# Altium PCB MCH_MAIN.PCBDOC (part 14 of 14) (continued)
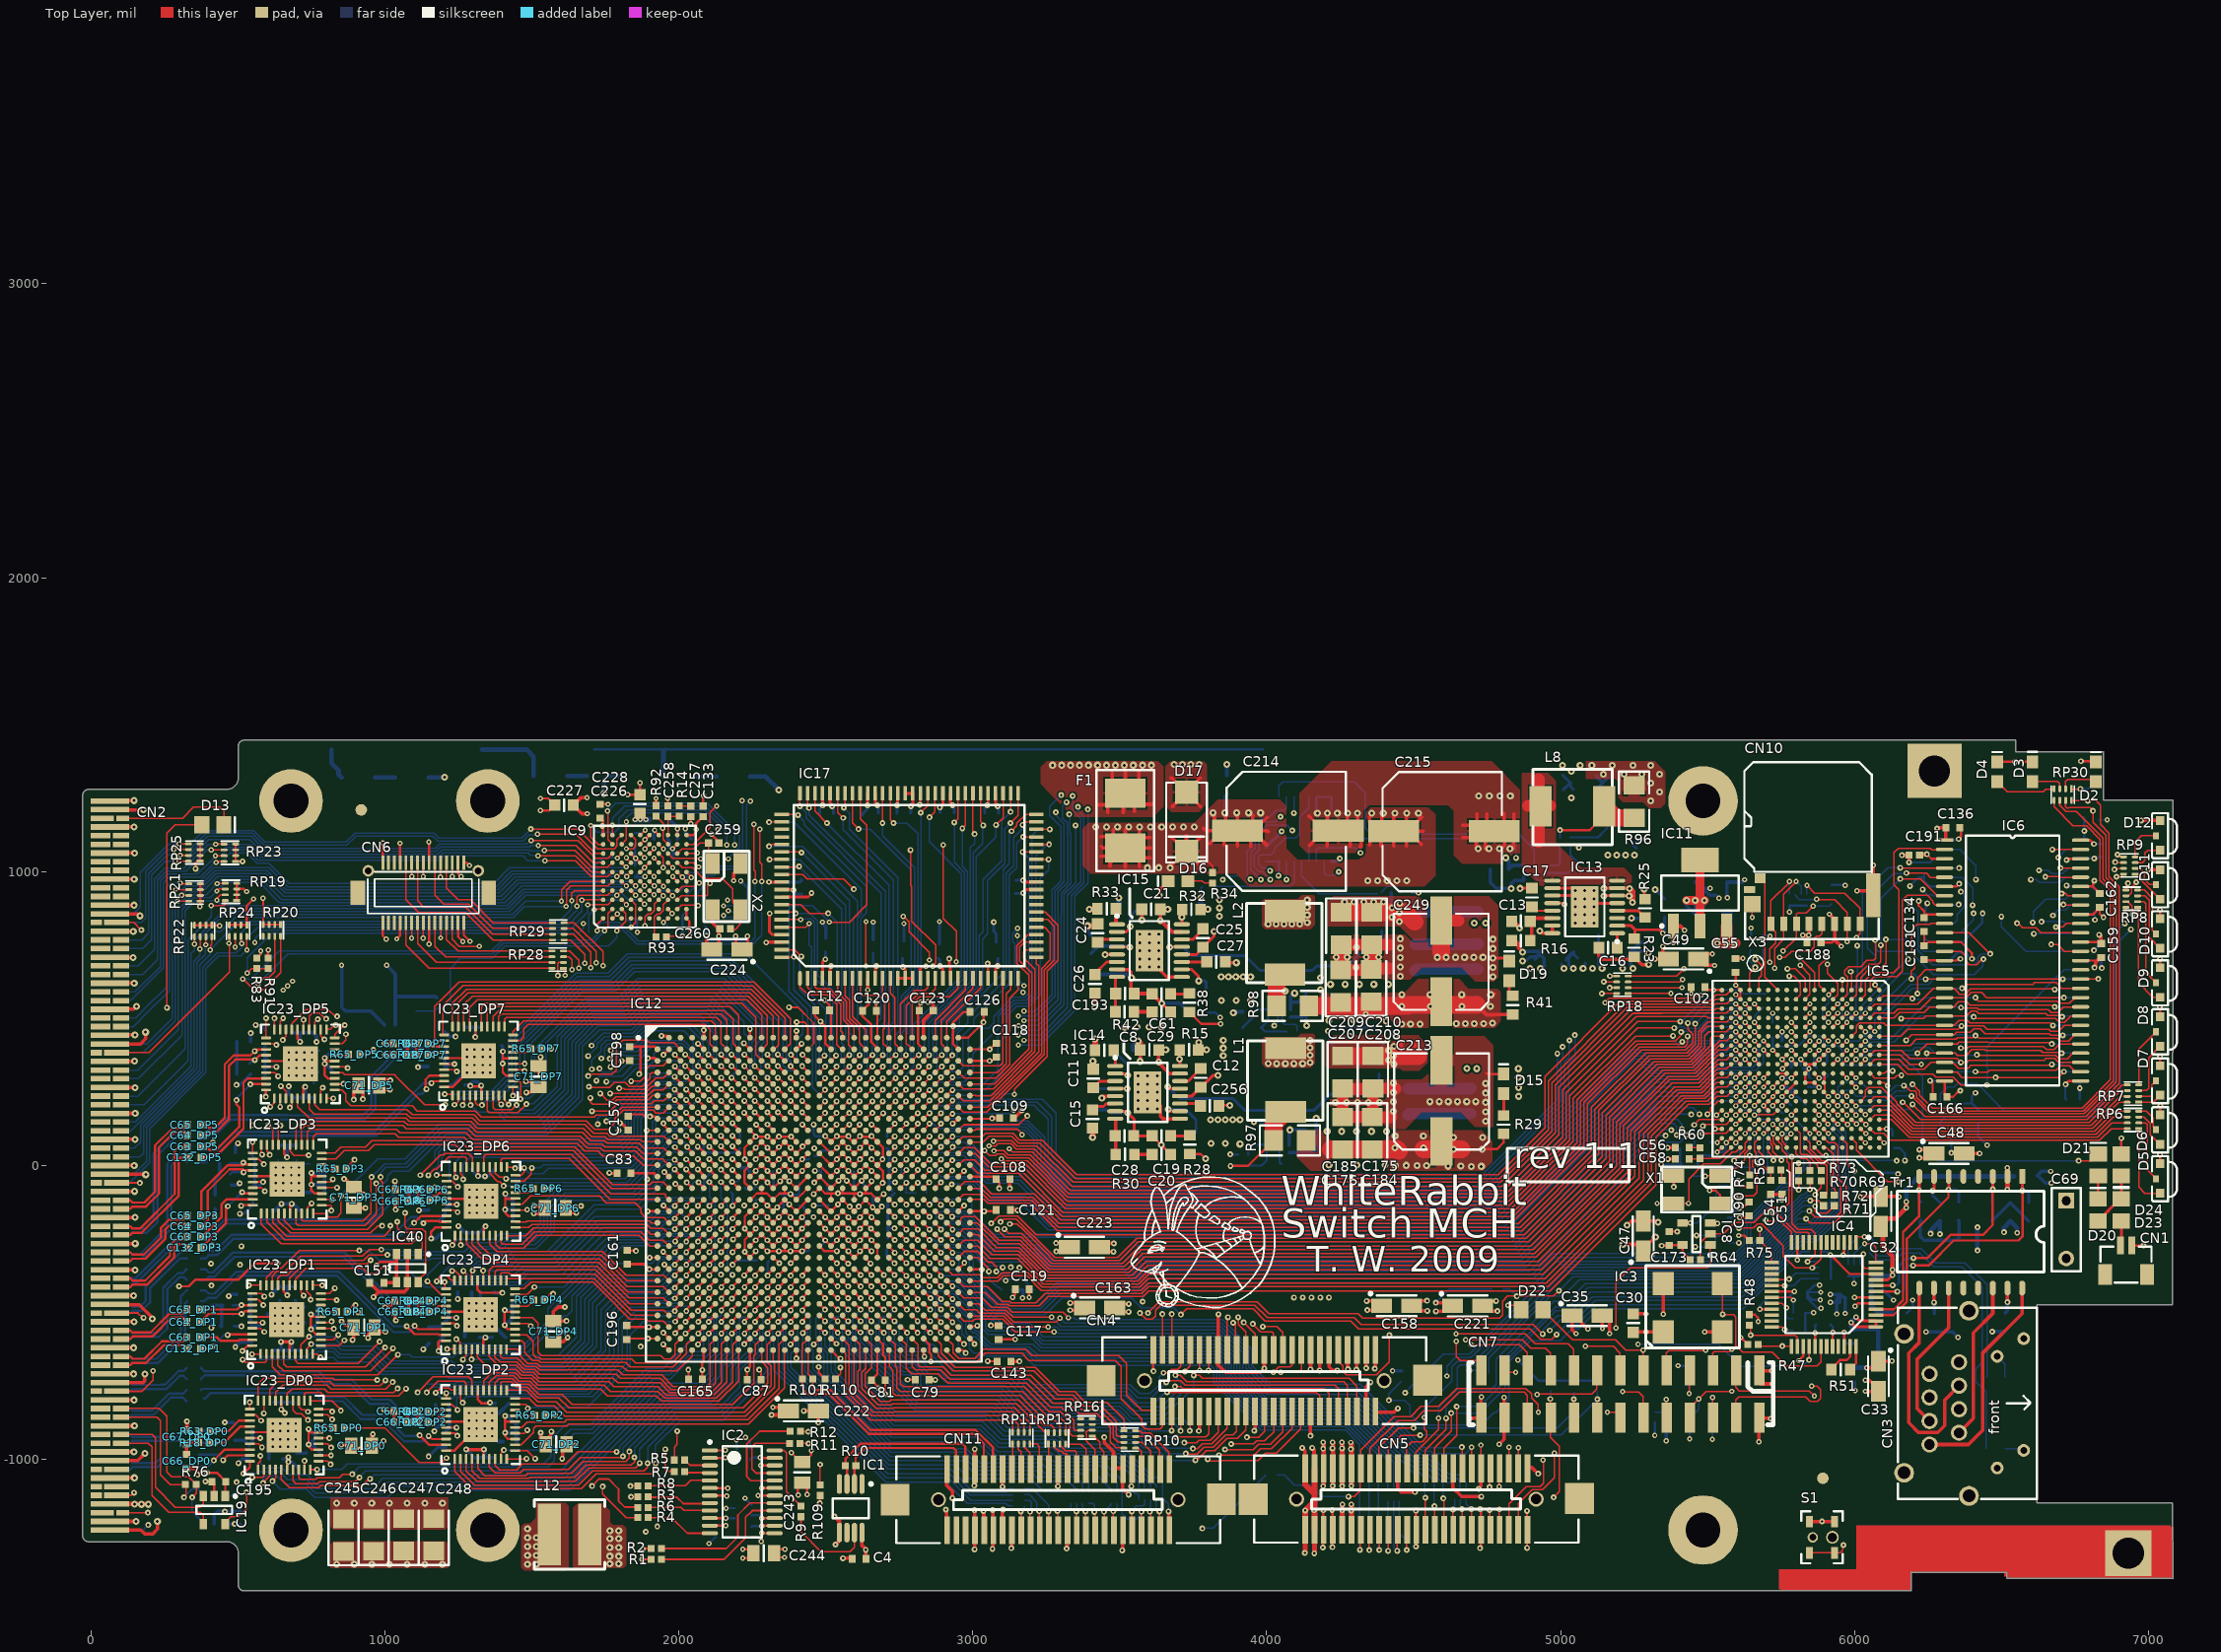
[diagram p0: Top Layer view]
## Nets (pads, with @x,y where several pads share a name; then routed paths per layer and width w, separated by ;. In a path a pad name is that pad's centre, name@x,y a point inside that pad or via, vN(x,y) a via of type N, cw(c..) or ccw(c..) an arc to the next point about the centre after c; other vN are vias at no path point) (continued)

## Polygon pours and split planes (outlines as drawn)
+2V5 on Top Layer "POLY_nothermals" (solid, remove dead copper, pour order 1003): 1651,-1156.1 1658,-1149.1 1671,-1149.1 1741,-1149.1 1761,-1169.1 1766,-1174.1 1766,-1209.1 1766,-1214.1 1771,-1219.1 1776,-1224.1 1811,-1224.1 1821,-1234.1 1821,-1244.1 1821,-1359.1 1811,-1369.1 1661,-1369.1 1646,-1369.1 1641,-1364.1 1641,-1169.1 1641,-1164.1 1656,-1149.1
+2V5_PHY on Top Layer "POLY_nothermals" (solid, remove dead copper, pour order 1002): 816,-1229.1 826,-1239.1 1206,-1239.1 1216,-1229.1 1216,-1129.1 816,-1129.1
GND on Top Layer "POLY_nothermals" (solid, remove dead copper, pour order 1001): 816,-1289.1 826,-1279.1 836,-1279.1 1206,-1279.1 1216,-1289.1 1216,-1369.1 816,-1369.1
+2V5_PHY on Top Layer "POLY_nothermals" (solid, remove dead copper, pour order 1000): 1465,-1377.98 1615,-1377.98 1625,-1367.98 1625,-1167.98 1625,-1157.98 1615,-1147.98 1515,-1147.98 1515,-1197.98 1505,-1207.98 1495,-1217.98 1475,-1217.98 1465,-1227.98 1465,-1367.98 1475,-1377.98
NetIC13_8 on Top Layer "Bottom Layer-No Net" (solid, pour order 1000): 4868.4,1336.5 4868.4,1014.1 4931,951.5 5228.4,951.5 5242.2,965.3 5242.2,986.7 5215.6,1013.3 5069,1013.3 5010.2,1072.1 4984.4,1097.9 4984.4,1281.1 4984.4,1307.9 4956.8,1335.5
+3V3 on Top Layer "POLY_nothermals" (solid, remove dead copper, pour order 1000): 4210.9,813.4 4452,813.4 4485.2,780.2 4500.5,764.9 4536.1,764.9 4539.5,764.9 4544.4,769.8 4544.4,888.5 4516.7,916.2 4227.7,916.2 4211.4,899.9 4208.4,896.9 4208.4,823.1 4208.4,815.9 4210.9,813.4
+12V_BULK on Top Layer "Bottom Layer-No Net 1" (solid, remove dead copper, pour order 1001): 3394.4,1165.2 3758.2,1165.2 3813.7,1220.7 3837.6,1244.6 3986,1244.6 4005.1,1244.6 4047.2,1202.5 4047.2,1077.1 4021.4,1051.3 4019.4,1049.3 3826.1,1049.3 3770.6,993.8 3681.6,993.8 3400.2,993.8 3374.3,1019.7 3374.3,1145.1 3394.4,1165.2
+2V5 on Top Layer "POLY_nothermals" (solid, pour order 1000): 4207.7,330.5 4453.2,330.5 4457.5,326.2 4461.8,321.9 4488.8,321.9 4519.1,321.9 4538.1,340.9 4547.1,349.9 4547.1,383.6 4547.1,411.1 4522.5,435.7 4515.4,442.8 4402.1,442.8 4229.5,442.8 4201.1,414.4 4200.5,413.8 4200.5,337.7
+12V_BACKPLANE on Top Layer "Bottom Layer-No Net 1" (solid, remove dead copper, pour order 1000): 3415.4,1185.7 3614.1,1185.7 3641,1212.6 3648.7,1220.3 3648.7,1357.6 3630.4,1375.9 3251.2,1375.9 3231,1355.7 3231,1343.2 3231,1298.1 3263.7,1265.4 3343.4,1185.7 3438.3,1185.7
+12V_BULK on Top Layer "Bottom Layer-No Net 1" (solid, remove dead copper, pour order 1001): 3763.8,993.2 3895.9,993.2 3935.5,953.6 3939.9,949.2 4382.7,949.2 4537.8,949.2 4569.6,981 4573.9,985.3 4573.9,1135.4 4573.9,1193.8 4550.1,1217.6 4353.9,1217.6 4343.1,1206.8 4338.7,1202.4 4338.7,1097.1 4338.7,1063.9 4329.4,1054.6 4314.9,1040.1 4109.3,1040.1 4105.1,1040.1 4069.7,1075.5 4066.8,1078.4 4066.8,1147.6 4066.8,1222.9 4044.9,1244.8 3833.9,1244.8 3757,1167.9 3752.3,1163.2 3752.3,1005
GND on Top Layer "Bottom Layer-No Net 1" (solid, remove dead copper, pour order 1002): 3786.4,1374.5 3797.3,1363.6 3797.3,1230.8 3768.9,1202.5 3676.6,1202.5 3653.9,1225.2 3653.9,1357.2 3671.2,1374.5
GND on Top Layer "Bottom Layer-No Net 1" (solid, remove dead copper, pour order 1003): 4328.6,1081.3 4328.6,1205.6 4349.5,1226.5 4616.7,1226.5 4636.4,1206.9 4636.4,1054.6 4664.3,1026.7 4858.4,1026.7 4863,1031.3 4863,1277.6 4765.8,1374.8 4220.1,1374.8 4111.3,1266 4111.3,1089.4 4136.8,1063.9 4311.1,1063.9
NetC25_2 on Top Layer "POLY_nothermals" (solid, remove dead copper, pour order 1004): 3984,816.2 3996.3,803.9 4148.8,803.9 4163.7,818.8 4163.6,821.3 4163.6,914.2 4158.4,919.4 4117.7,919.4 4105.1,906.8 3990.6,906.8 3984,900.2
+3V3 on Top Layer "POLY_bigthermals" (solid, pour order 1002): 4103.1,517.4 4117.5,503 4174.4,503 4184.7,513.3 4217.3,513.3 4233.2,497.4 4419.1,497.4 4448.6,467.9 4775,467.9 4796.5,489.4 4796.5,590.1 4785,601.6 4687.3,601.6 4654.7,634.2 4514.9,634.2 4468.1,587.4 4113,587.4 4103.1,577.5
NetC12_2 on Top Layer "POLY_nothermals" (solid, remove dead copper, pour order 1005): 3983.8,345.4 3996.1,333.1 4148.6,333.1 4163.5,348 4163.4,350.5 4163.4,443.4 4158.2,448.6 4117.5,448.6 4104.9,436 3990.4,436 3983.8,429.4
+2V5 on Top Layer "POLY_bigthermals" (solid, pour order 1001): 4102.2,97.3 4102.2,29.7 4149.3,-17.4 4737.5,-17.4 4766.7,11.8 4766.7,83.3 4731,119 4436.7,119 4404.4,86.7 4216.8,86.7 4180.3,123.2 4102.1,123.2
GND on Top Layer "POLY_bigthermals" (solid, remove dead copper, pour order 1006): 4217.7,633.1 4487.2,633.1 4528.9,674.8 4661.3,674.8 4710.8,625.3 4772.1,625.3 4787,640.2 4787,884.4 4755.7,915.7 4552.7,915.7 4549.1,912.1 4549.1,805.3 4529.5,785.7 4217.5,785.7 4217.4,785.6
GND on Top Layer "POLY_bigthermals" (solid, remove dead copper, pour order 1007): 4216.33,125 4471.1,125 4527.5,181.4 4659.9,181.4 4709.4,131.9 4770.7,131.9 4770.7,410.2 4740.7,440.2 4547.7,440.2 4547.7,311.9 4528.1,292.3 4216.1,292.3 4216,292.2
+1V2 on Top Layer "POLY_bigthermals" (solid, remove dead copper, pour order 1000): 5086,1375.9 5321,1375.9 5356,1340.9 5356,1230.9 5341,1215.9 5301,1215.9 5281,1235.9 5211,1235.9 5196,1250.9 5196,1305.9 5186,1315.9 5086,1315.9
+12V_BULK on MidLayer1 "MidLayer1-No Net" (solid, pour order 1003): 4223.6,-468.1 4223.6,-244.2 4075.6,-96.2 3700.4,-96.2 3700.4,460.7 3651.8,509.3 3504.6,509.3 3475.4,480.1 3475.4,-91.2 3616.1,-231.9 4001.6,-231.9 4077.9,-308.2 4077.9,-468.1
+1V2 on MidLayer4 "Bottom Layer-No Net 1" (solid, remove dead copper, pour order 1004): 3046.2,21.1 2871.2,196.1 2459.1,196.1 2075.9,196.1 2016.6,136.8 2012.2,132.4 2012.2,-55.5 2012.2,-385.2 2064.3,-437.3 2117.8,-490.8 2287,-490.8 2488.4,-289.4 2542.6,-289.4 2664.3,-289.4 2692.1,-261.6 2703.8,-249.9 2967.8,-249.9
+12V_BULK on MidLayer4 "Bottom Layer-No Net" (solid, pour order 1001): 3360.76,1165.7 3748.56,1165.7 3827.3,1244.44 4559.58,1244.44 4630.45,1173.58 4630.45,1022 4561.55,953.1 4561.55,10.75 4533.1,-17.7 4193.87,-17.7 4167.85,9.18 4167.85,949.17 3868.64,949.17 3836.16,916.69 3836.16,368.46 3798.76,331.06 3384.39,331.06 3339.11,376.33 3339.11,1144.05
+12V_BACKPLANE on MidLayer4 "Bottom Layer-No Net" (solid, pour order 1000): 252.5,-1235.87 282.19,-1206.18 282.19,501.13 469.8,688.74 3315.49,695.22 3315.49,1184.4 3591.08,1183.42 3622.57,1212.95 3622.57,1343.85 3573.36,1393.07 548.76,1393.07 523.17,1367.47 523.17,1282.83 499.6,1259.1 483.8,1259.21 144.23,1259.21 91.08,1206.06 91.08,-1214.22 112.93,-1235.87
+1V2 on MidLayer4 "Bottom Layer-No Net" (solid, remove dead copper, pour order 1002): 2123.56,63.34 2173.76,113.54 2175.72,111.57 2531.04,111.57 2572.38,152.91 2591.08,152.91 2612.73,131.25 3237.73,131.25 3348.95,242.47 3725.92,242.47 4015.7,-47.3 4582.22,-47.3 4582.22,912.75 4674.74,1006.25 4675.72,1340.9 4722.8,1387.7 5365.6,1387.7 5365.6,-79.38 4803.08,-641.9 3485.24,-641.9 3122.52,-279.18 2410.96,-279.18 2364.7,-325.44 2357.81,-318.55 2143.24,-318.55 2123.56,-298.86
+12V_BULK on MidLayer4 "MidLayer4-No Net" (solid, pour order 1000): 4108,-1342.1 4168,-1342.1 4181,-1329.1 4181,-648.1 4232,-597.1 4237,-592.1 4237,-460.1 4237,-443.1 4221,-427.1 4214,-420.1 4156,-420.1 4084,-420.1 4071,-433.1 4064,-440.1 4064,-522.1 4064,-1298.1 4108,-1342.1
GND on Bottom Layer "POLY_normal" (solid, remove dead copper, pour order 1006): 1236,455.9 1361,455.9 1381,475.9 1421,475.9 1431,465.9 1431,455.9 1431,305.9 1376,250.9 1216,250.9 1201,265.9 1201,420.9 1216,435.9
GND on Bottom Layer "POLY_normal" (solid, remove dead copper, pour order 1005): 1281,-39.1 1391,-39.1 1411,-59.1 1411,-199.1 1396,-214.1 1391,-219.1 1291,-219.1 1276,-219.1 1256,-199.1 1256,-64.1
GND on Bottom Layer "POLY_normal" (solid, remove dead copper, pour order 1004): 1271,-414.1 1381,-414.1 1411,-444.1 1411,-544.1 1441,-574.1 1441,-599.1 1431,-609.1 1266,-609.1 1251,-594.1 1241,-584.1 1241,-444.1
GND on Bottom Layer "POLY_normal" (solid, remove dead copper, pour order 1003): 1281,-794.1 1441,-794.1 1446,-799.1 1446,-844.1 1446,-849.1 1426,-869.1 1426,-954.1 1421,-959.1 1411,-969.1 1296,-969.1 1291,-969.1 1261,-939.1 1256,-934.1 1256,-819.1
GND on Bottom Layer "POLY_normal" (solid, remove dead copper, pour order 1002): 587,-1010.1 596,-1019.1 741,-1019.1 756,-1004.1 756,-974.1 756,-879.1 711,-834.1 611,-834.1 581,-864.1 581,-1004.1
GND on Bottom Layer "POLY_normal" (solid, remove dead copper, pour order 1001): 584,-504.1 584,-483.1 624,-443.1 725,-443.1 746,-464.1 749,-467.1 749,-553.1 749,-583.1 728,-604.1 598,-604.1 584,-590.1
GND on Bottom Layer "POLY_normal" (solid, remove dead copper, pour order 1000): 601,-119.1 751,-119.1 766,-104.1 766,-19.1 766,20.9 761,25.9 746,40.9 621,40.9 616,40.9 591,15.9 591,-109.1
GND on Bottom Layer "POLY_nothermals" (solid, remove dead copper, pour order 1010): 5136,1115.9 5171,1115.9 5196,1140.9 5261,1140.9 5286,1140.9 5296,1130.9 5296,1085.9 5296,1045.9 5271,1020.9 5266,1015.9 5186,1015.9 5161,1015.9 5136,1040.9 5126,1050.9 5126,1085.9 5126,1105.9 5136,1115.9
+1V2 on Bottom Layer "POLY_bigthermals" (solid, remove dead copper, pour order 1009): 5094,1373.9 5318,1373.9 5351,1340.9 5351,1240.9 5291,1180.9 5291,1165.9 5266,1140.9 5141,1140.9 5141,1245.9 5126,1260.9 5106,1260.9 5086,1280.9 5086,1365.9
GND on Bottom Layer "POLY_bigthermals" (solid, remove dead copper, pour order 1008): 5026,1230.9 5076,1230.9 5086,1240.9 5086,1290.9 5086,1365.9 5076,1375.9 4996,1375.9 4986,1375.9 4981,1370.9 4981,1335.9 4981,1275.9 5026,1230.9
+3V3 on Bottom Layer "POLY_nothermals" (solid, remove dead copper, pour order 1007): 5191,655.9 5256,655.9 5311,710.9 5311,770.9 5301,780.9 5216,780.9 5186,750.9 5186,660.9
GND on Bottom Layer "POLY_bigthermals" (solid, remove dead copper, pour order 1006): 4986,765.9 4986,660.9 4991,655.9 5111,655.9 5161,655.9 5196,690.9 5196,730.9 5196,760.9 5156,800.9 5086,800.9 5021,800.9 4986,765.9
GND on Bottom Layer "POLY_bighermals" (solid, remove dead copper, pour order 1004): 631,370.9 661,400.9 661,415.9 671,425.9 781,425.9 796,410.9 801,405.9 801,330.9 801,280.9 776,255.9 726,255.9 656,255.9 631,280.9
+12V_BULK on Bottom Layer "Bottom Layer-No Net" (solid, pour order 1003): 4178.09,664.9 4406.74,664.9 4419.93,652.32 4419.93,488.72 4411.14,480.33 4191.28,480.33 4167.19,480.69 4167.1,654.41
+12V_BULK on Bottom Layer "Bottom Layer-No Net" (solid, pour order 1003): 4202.95,176.5 4407.68,176.5 4415.55,167.96 4419.49,163.69 4419.49,-2.81 4411.61,-11.35 4214.76,-11.35 4193.11,12.13 4193.11,165.83
+3V3 on Bottom Layer "POLY_nothermals" (solid, remove dead copper, pour order 1008): 4411.5,882 4411.5,829 4411.4,812.2 4756.58,812.2 4772.6,826.4 4772.6,900.9 4763.91,908.6 4411.4,908.5
GND on Bottom Layer "POLY_nothermals" (solid, remove dead copper, pour order 1009): 4434.1,639.7 4450.4,623.4 4491.7,623.4 4774.6,623.4 4786.9,635.7 4786.9,779.6 4772.6,793.9 4453.4,793.9 4434.6,775.1
GND on Bottom Layer "POLY_nothermals" (solid, remove dead copper, pour order 1010): 4409.8,148.6 4426.1,132.3 4467.4,132.3 4750.3,132.3 4762.6,144.6 4762.6,288.5 4748.3,302.8 4429.1,302.8 4410.3,284
NetC25_2 on Bottom Layer "Bottom Layer-No Net" (solid, pour order 1002): 3748.67,864.19 3899.23,864.19 3957.28,927.18 4301.93,927.18 4363.6,860.26 4363.6,777.58 4335.88,747.5 4191.78,747.5 4144.2,795.1 4067.93,795.3 4010.6,795.1 3955.11,739.5 3783.76,739.5 3748.67,777.58
+3V3 on Bottom Layer "POLY_nothermals" (solid, remove dead copper, pour order 1011): 4435.3,559.94 4435.3,489.67 4435.2,467.4 4780.38,467.4 4796.4,486.23 4796.4,584.99 4787.71,595.2 4435.2,595.07
+2V5 on Bottom Layer "POLY_nothermals" (solid, remove dead copper, pour order 1012): 4398.3,392.89 4398.3,336.48 4398.2,318.6 4743.38,318.6 4759.4,333.71 4759.4,413 4750.71,421.2 4398.2,421.09
+3V3 on Bottom Layer "POLY_nothermals" (solid, remove dead copper, pour order 1005): 4856,685.9 4886,655.9 4976,655.9 4976,760.9 4966,770.9 4866,770.9 4856,760.9
NetC12_2 on Bottom Layer "Bottom Layer-No Net" (solid, pour order 1002): 3720,374.04 3901.23,374.04 3964.22,437.03 4338.24,437.03 4364,411.27 4364,255.7 4220.35,255.7 4170.92,305.14 3997.69,305.14 3939.45,246.9 3751,246.9 3720,277.9
GND on Bottom Layer "POLY_normal" (solid, remove dead copper, pour order 1001): 3792,59.9 3915,59.9 3926,70.9 3936,80.9 3936,145.9 3936,165.9 3916,185.9 3866,185.9 3801,185.9 3786,170.9 3781,165.9 3781,155.9 3781,70.9 3791,60.9
GND on Bottom Layer "POLY_normal" (solid, remove dead copper, pour order 1002): 3831,545.9 3959,545.9 3974,560.9 3974,647.9 3956,665.9 3830,665.9 3816,651.9 3816,560.9
+2V5 on Bottom Layer "POLY_nothermals" (solid, remove dead copper, pour order 1003): 4423,-6.1 4431,-14.1 4736,-14.1 4746,-4.1 4746,105.9 4736,115.9 4431,115.9 4423,107.9
GND on GND (split plane): 239 vertices, not listed, extent 130.48,-1426.99 7062.79,1426.95
NetC69_2 on GND (split plane): 6795.9,-267.21 6795.9,-453 6620,-453 6616.08,-453.39 6612.31,-454.53 6608.83,-456.39 6606.34,-458.44 6605.79,-458.89 6605.34,-459.44 6603.29,-461.94 6601.43,-465.41 6600.29,-469.18 6599.9,-473.1 6599.9,-1147.1 6600.29,-1151.02 6601.43,-1154.79 6603.15,-1158 6178.11,-1158 6115.1,-1094.99 6115.1,-579.01 6221.6,-472.51 6222.2,-472.1 6223.31,-470.45 6223.7,-468.5 6223.7,-367.2 6544,-367.2 6545.95,-366.81 6547.6,-365.7 6669.11,-244.2 6772.89,-244.2
ETH100_AGND on GND (split plane): 6768.9,-59.21 6768.9,-234 6667,-234 6665.05,-234.39 6663.4,-235.5 6541.89,-357 6221,-357 6219.05,-357.39 6217.4,-358.5 6215,-360.9 6213.89,-362.55 6213.5,-364.5 6213.72,-365.6 6213.5,-366.7 6213.5,-466.19 6106.4,-573.3 6105.29,-574.95 6104.9,-576.9 6104.9,-834 5980.11,-834 5949.1,-802.99 5949.1,-551.1 5948.71,-549.15 5947.6,-547.5 5907.1,-506.99 5907.1,-411.21 5992.6,-325.7 5993.71,-324.05 5994.1,-322.1 5994.1,-80.2 6169,-80.2 6170.95,-79.81 6172.6,-78.7 6263.11,11.8 6697.89,11.8
+3V3 on Power (split plane): 344 vertices, not listed, extent 487.1,-1426.99 7062.79,1426.95
+2V5 on Power (split plane): 206 vertices, not listed, extent 1652.7,-1426.99 5208.9,557.2
+2V5_PHY on Power (split plane): 476.9,594.9 477.29,592.95 478.4,591.3 510.4,559.3 512.05,558.19 514,557.8 537,557.8 538.36,558.07 940.16,557.66 1380.92,557.22 1381,557.2 1834.1,557.2 1834.1,-925.79 1644,-1115.9 1642.89,-1117.55 1642.5,-1119.5 1642.5,-1426.99 523.66,-1426.99 522.39,-1426.46 521.86,-1425.19 521.86,-1318.92 521.86,-1318.83 521.49,-1312.28 520.37,-1305.73 518.54,-1299.35 515.99,-1293.21 512.78,-1287.39 508.93,-1281.97 504.51,-1277.02 499.55,-1272.59 494.13,-1268.75 488.32,-1265.53 482.18,-1262.99 475.79,-1261.15 469.24,-1260.04 462.69,-1259.67 462.61,-1259.66 233.99,-1259.66 234.1,-1259.1 234.1,405.06 234.1,574.79 318.11,658.8 476.9,658.8
+3V3_MP on Power (split plane): 4361,1080.91 4253.09,973 4032.11,973 3978.1,1027.01 3978.1,1279 3977.71,1280.95 3976.6,1282.6 3928,1331.2 3926.35,1332.31 3924.4,1332.7 3922.89,1332.4 2474.6,1332.4 2472.65,1332.01 2472.05,1331.61 2470.4,1330.5 2319.4,1179.5 2318.29,1177.85 2317.9,1175.9 2317.9,1174.9 2317.9,1160.9 2317.9,904.01 2227.89,814 2098.1,814 2098.1,860.9 2097.71,862.85 2096.6,864.5 2000.6,960.5 1998.95,961.61 1997,962 1974.11,962 1952.1,984.01 1952.1,1171.9 1951.71,1173.85 1950.6,1175.5 1918.6,1207.5 1916.95,1208.61 1915,1209 1834,1209 1832.05,1208.61 1830.4,1207.5 1818.4,1195.5 1817.29,1193.85 1816.9,1191.9 1816.9,1147.9 1817.29,1145.95 1818.4,1144.3 1840.4,1122.3 1842.05,1121.19 1844,1120.8 1889.89,1120.8 1893.9,1116.79 1893.9,849.9 1894.29,847.95 1895.4,846.3 1942.9,798.79 1942.9,761 1736.11,761 1443.6,1053.5 1441.95,1054.61 1440,1055 1289.7,1055 1287.75,1054.61 1286.1,1053.5 1190.4,957.8 1189.29,956.15 1188.9,954.2 1188.9,710.01 1147.89,669 810.58,669 809.07,669.3 612.23,669.3 610.72,669 316,669 314.05,668.61 312.4,667.5 225.4,580.5 224.29,578.85 223.9,576.9 223.9,405.06 223.9,388.9 223.9,-1259.1 224.01,-1259.66 129.02,-1259.66 129.02,1259.62 460.08,1259.62 460,1258.8 460.23,1258.71 460.21,1258.21 460.73,1257.99 461.34,1258.24 461.98,1257.98 461.98,1258.51 465.14,1259.82 468.45,1260 475.1,1261.13 481.58,1263 487.81,1265.58 493.71,1268.84 499.22,1272.75 504.25,1277.24 508.74,1282.27 512.64,1287.77 515.91,1293.67 518.49,1299.9 520.35,1306.39 521.48,1313.04 521.86,1319.72 521.86,1319.77 521.86,1319.8 521.86,1319.83 521.86,1426.95 4361,1426.95
NetC69_2 on Power (split plane): 6796.9,-263.21 6796.9,-368.99 6792.89,-373 6579,-373 6577.05,-373.39 6575.4,-374.5 6524.4,-425.5 6523.29,-427.15 6522.9,-429.1 6522.9,-904.99 6445.4,-982.5 6444.29,-984.15 6443.9,-986.1 6443.9,-1056.1 6444.29,-1058.05 6445.4,-1059.7 6475.4,-1089.7 6477.05,-1090.81 6479,-1091.2 6599.9,-1091.2 6599.9,-1147.1 6600.29,-1151.02 6601.43,-1154.79 6603.15,-1158 6177.11,-1158 6111.1,-1091.99 6111.1,-556.21 6176.6,-490.7 6177.71,-489.05 6178.1,-487.1 6178.1,-407.21 6217.11,-368.2 6502,-368.2 6503.95,-367.81 6505.6,-366.7 6627.11,-245.2 6778.89,-245.2
+1V2_CPU on Power (split plane): 5982.9,437.79 5982.9,305.9 5983.29,303.95 5984.4,302.3 6110.4,176.3 6142.9,143.79 6142.9,115.01 6128.89,101 6000.11,101 5846.1,255.01 5846.1,342.79 5857.11,353.8 5889,353.8 5890.95,354.19 5892.6,355.3 5902.6,365.3 5903.71,366.95 5904.1,368.9 5904.1,399.9 5903.71,401.85 5902.6,403.5 5889.6,416.5 5887.95,417.61 5886,418 5768.11,418 5644.1,542.01 5644.1,626.9 5643.71,628.85 5642.6,630.5 5619.6,653.5 5617.95,654.61 5616,655 5584,655 5582.05,654.61 5580.4,653.5 5556.4,629.5 5555.29,627.85 5554.9,625.9 5554.9,591.01 5537.89,574 5501.11,574 5380.1,695.01 5380.1,906.79 5410.11,936.8 5483.89,936.8
NetC228_2 on Power (split plane): 1941.9,1169.79 1941.9,981.9 1942.29,979.95 1943.4,978.3 1968.4,953.3 1970.05,952.19 1972,951.8 1994.89,951.8 2087.9,858.79 2087.9,809.9 2088.05,809.16 2039.89,761 1953.1,761 1953.1,800.9 1952.71,802.85 1951.6,804.5 1904.1,852.01 1904.1,1118.9 1903.71,1120.85 1902.6,1122.5 1895.6,1129.5 1893.95,1130.61 1892,1131 1846.11,1131 1827.1,1150.01 1827.1,1189.79 1836.11,1198.8 1912.89,1198.8

## Other copper
Top Layer:
  region: 5743.13,-1374.1 5743.13,-1441.03 6184.08,-1441.03 6184.08,-1378.04 6508.88,-1378.04 6508.88,-1397.72 7073.84,-1397.72 7073.84,-1224.49 6006.91,-1224.49 6006.91,-1374.1
  region: 5751.98,-1379.94 5751.98,-1446.87 6192.92,-1446.87 6192.92,-1383.88 6517.73,-1383.88 6517.73,-1403.56 7082.69,-1403.56 7082.69,-1230.33 6015.76,-1230.33 6015.76,-1379.94
MidLayer4:
  pour cut-out: 1690.6,1172.1 2049.8,1172.1 2085.6,1136.3 2085.6,841.1 2039.2,794.7 1709.2,794.7 1674.2,829.7 1674.2,1155.1
  pour cut-out: 4061,-648.1 4061,-441.1 4085,-417.1 4215,-417.1 4240,-442.1 4240,-594.1 4194,-640.1 4194,-660.1 4200,-666.1 4263,-666.1 4286,-643.1 4286,-443.1 4225,-382.1 4059,-382.1 4027,-414.1 4027,-658.1 4025,-660.1
  pour cut-out: 2567,970.9 2912,970.9 3021,861.9 3021,674.9 3018,677.9 2963,677.9 2963,836.9 2883,916.9 2566,916.9
Bottom Layer:
  region: 5743.13,-1374.1 5743.13,-1441.03 6184.08,-1441.03 6184.08,-1378.04 6508.88,-1378.04 6508.88,-1397.72 7073.84,-1397.72 7073.84,-1224.49 6006.91,-1224.49 6006.91,-1374.1
  region: 5751.98,-1379.94 5751.98,-1446.87 6192.92,-1446.87 6192.92,-1383.88 6517.73,-1383.88 6517.73,-1403.56 7082.69,-1403.56 7082.69,-1230.33 6015.76,-1230.33 6015.76,-1379.94
GND (plane layer: these items are gaps in the copper):
  rectangle: -21.72,-1272.67 130.48,1285.45
  rectangle: 5974.78,-1336.8 6597.76,-1195.14
  lines w10: 3384,457.2 3549.34,457.2 ; 3527.57,456.12 3527.6,68.1 ; 3533,533.18 3533,928.8 3527.3,934.5 3388.7,934.5 3376,921.8 3376,537.47 3382,531.47 3382,437.94 3382,-16.63 3869.63,-16.63 ; 3533.15,918.35 3569.7,954.9 3803,954.9 ; 3548.53,457.04 3676.53,457.04 ; 3676,456.9 4481,456.9 ; 3797,955.9 4284,955.9 4307,932.9 4471,932.9 ; 3833,-18.1 4482,-18.1 ; 4832,757.9 4832,853.9 ; 4832.4,848.3 4832.4,870.9 4808,895.3 4808,975.9 4842,1009.9 4869,1036.9 4869,1278.97 4869,1442.43 ; 4870,1034.9 4900,1034.9 4923,1011.9 4923,862.9 4967,818.9 4967,750.9 ; 5214,699.9 5214,961.9 5256,1003.9 5358,1003.9 ; 5313,659.9 5358,704.9 5358,878.9 5358,1450.02 ; 6110,-839.1 5978,-839.1 5944,-805.1 5944,-551.1 5902,-509.1 5902,-409.1 5989,-322.1 5989,-75.1 6169,-75.1 6261,16.9 6700,16.9 6774,-57.1 6774,-238.1 ; 6218.6,-468.5 6218.6,-366.7 ; 6218.6,-468.3 6110,-576.9 6110,-1097.1 6176,-1163.1 6630,-1163.1 ; 6218.6,-364.5 6221,-362.1 6544,-362.1 6667,-239.1 6775,-239.1 6801,-265.1 6801,-458.1
Power (plane layer: these items are gaps in the copper):
  rectangle: -18.79,-1269.74 129.02,1292.77
  rectangle: 5974.78,-1336.8 6597.76,-1195.14
  lines w10: 229,-1259.1 229,405.06 ; 229,388.9 229,576.9 316,663.9 618,663.9 ; 482,662.9 482,594.9 514,562.9 537,562.9 ; 505.29,-1315.89 510.99,-1321.59 ; 612.23,664.2 809.07,664.2 ; 806,663.9 1150,663.9 1194,707.9 1194,954.2 1289.7,1049.9 1440,1049.9 1734,755.9 2042,755.9 2095,808.9 2230,808.9 2323,901.9 2323,1174.9 ; 1381,562.3 2363.4,562.3 ; 1647.6,-1451.9 1647.6,-1119.5 1839.2,-927.9 1839.2,562.6 ; 1948,758.9 1948,800.9 1899,849.9 1899,1118.9 1892,1125.9 1844,1125.9 1822,1147.9 1822,1191.9 1834,1203.9 1915,1203.9 1947,1171.9 1947,981.9 1972,956.9 1997,956.9 2093,860.9 2093,809.9 ; 2131,-1447.23 2131,-957.1 2312,-957.1 2351,-996.1 ; 2323,1160.9 2323,1175.9 2474,1326.9 ; 2348,-993.1 2457,-1102.1 2457,-1236.1 2481.9,-1261 4145.9,-1261 4146,-1261.1 ; 2363,562.7 2448,477.7 2448,-94.1 2519.6,-165.7 ; 2474.6,1327.3 3924.3,1327.3 ; 2647.3,-165.5 2687.1,-165.5 ; 2687,-165 2710.5,-141.5 2710.5,-46.7 2724.3,-32.9 2743.8,-32.9 2755.5,-44.6 2755.5,-265.1 ; 2755.5,-264.8 2871,-380.3 2871,-383.3 ; 2871,-382.5 2871,-524.5 2936.4,-589.9 2958.6,-589.9 3007.15,-638.45 3007.3,-638.3 3043.94,-638.3 3079.8,-638.3 ; 3076,-638.1 3133,-638.1 3161,-610.1 3161,-551.1 ; 3161,-553.1 3153,-545.1 3153,-417.8 3193,-377.8 3256.6,-377.8 3351,-283.4 ; 3351,-284.1 3376,-259.1 3376,-13.1 ; 3376,-14.1 3376,463.9 ; 3376,27.9 3823,27.9 ; 3376,457.1 3376,923.08 3387.38,934.46 3549.54,934.46 3569.68,954.6 ; 3377,457.1 3869.1,457.1 ; 3824,27.9 3870,-18.1 ; 3871.6,455.3 4065,455.3 4139.4,380.9 4139.4,140.8 4177.9,140.8 4187.76,150.66 4187.6,364.23 4237.29,414.1 4376.8,414.1 4421,458.3 4839.6,458.3 4894.4,403.5 4894.4,-305.4 ; 3924.4,1327.6 3973,1279 3973,1024.9 4030,967.9 4255.2,967.9 4366.1,1078.8 4366.1,1451.69 ; 3955.7,-102.7 4402.06,-102.91 ; 4146,-1261 4162.3,-1244.7 ; 4160.9,-1247.3 4177.5,-1230.7 4177.5,-929 4239.9,-929 ; 4239.8,-928.9 4239.8,-1241 4261.6,-1262.8 4321.9,-1262.8 ; 4319.6,-1262.9 4845.9,-1262.9 4894.4,-1214.4 ; 4894,-1215.1 4894,-1134.1 4748,-988.1 4748,-827.1 4897,-678.1 4897,-538.1 ; 4894.7,-306 4919.7,-331 5177.9,-331 5214,-367.1 5214,-441.9 5147.3,-508.6 4926,-508.6 4895.4,-539.2 ; 6075,95.9 6131,95.9 6148,112.9 6148,145.9 6114,179.9 5988,305.9 5988,439.9 5486,941.9 5408,941.9 5375,908.9 5375,692.9 5499,568.9 5540,568.9 5560,588.9 5560,625.9 5584,649.9 5616,649.9 5639,626.9 5639,539.9 5766,412.9 5886,412.9 5899,399.9 5899,368.9 5889,358.9 5855,358.9 5841,344.9 5841,252.9 5998,95.9 6080,95.9 ; 6627,-1086.1 6479,-1086.1 6449,-1056.1 6449,-986.1 6528,-907.1 6528,-429.1 6579,-378.1 6795,-378.1 6802,-371.1 6802,-261.1 6781,-240.1 6625,-240.1 6502,-363.1 6215,-363.1 6173,-405.1 6173,-487.1 6106,-554.1 6106,-1094.1 6175,-1163.1 6628,-1163.1 ; 2519.6,-165.7 2654.2,-165.7 ; 2519.6,-165.7 2654.2,-165.7 ; 2519.6,-165.7 2654.2,-165.7 ; 2519.6,-165.7 2654.2,-165.7 ; 2519.6,-165.7 2654.2,-165.7 ; 538.23,563.17 1396,562.3 538.23,563.17 ; 3869,-16.5 3955.1,-102.6 3869,-16.5

## Silkscreen, mask and mechanical layers (free items; w line width, h text height)
Top Overlay:
  drawing of 504 lines, arcs and shapes, not listed
  text "rev 1.1" at 4841.1,-38.6 h150
  text "WhiteRabbit" at 4049.46,-169.03 h170
  text "Switch MCH" at 4049.46,-278.76 h170
  text "T. W. 2009" at 4136.71,-389.82 h150
Mechanical 1:
  lines w0.3: 7082.6,-1403.5 7082.6,-1144.1 6621.6,-1144.1 6621.6,-470.9 7082.8,-470.9 7082.8,1242.1
  lines w0.39: 337.45,-1279.55 462.61,-1279.55 cw(c462.61,-1318.92) 501.98,-1318.92 501.98,-1429.15 ; 348.44,1279.51 461.98,1279.51 ; 460.73,1279.52 ccw(c461.71,1319.77) 501.98,1319.84 501.98,1427.15 cw(c521.66,1427.15) 521.66,1446.83 6547.25,1446.83 6547.25,1411.4 6547.25,1407.46 6846.47,1407.46 6846.47,1242.11 7082.69,1242.11 ; 501.98,-1427.19 ccw(c521.66,-1427.19) 521.66,-1446.87 ; 519.7,-1446.87 6192.92,-1446.87 6192.92,-1383.88 6517.73,-1383.88 6517.73,-1403.56 7082.69,-1403.56 ; 6488.2,-1240.18 6488.2,-1232.3 6488.2,-1228.37 6015.76,-1228.37 6015.76,-1295.3 6488.2,-1295.3 6488.2,-1238.21
Mechanical 3:
  lines w0.3: 6309.4,-1148.7 9013,-1148.7 ; 6558.2,-471.1 9010.8,-471.1 ; 7006.6,-124.1 8983.6,-124.1 ; 7012.8,1201.1 8961.8,1201.1 ; 7508,-1309.5 7508,1374.9
Mechanical 15:
  circle w0.39: c316.6,-1236.58 r8.12
  circle w0.39: c238.2,1240.14 r8.35
  lines w0.39: 222.45,1240.14 255.92,1240.14 ; 238.2,1224.39 238.2,1255.89 ; 300.85,-1236.58 334.32,-1236.58 ; 316.6,-1252.33 316.6,-1220.83 ; 2713.88,-273.94 2734.55,-273.94 ; 2714.87,-322.17 2714.87,-304.45 ; 2714.87,-283.78 2714.87,-264.1 ; 2714.87,-243.43 2714.87,-225.71 ; 5751.98,-1153.56 5751.98,-1379.94 6015.76,-1379.94 6015.76,-1153.56 ; 5752.96,-1153.56 6014.77,-1153.56 6015.76,-1163.41 ; 5869.09,-1265.06 cw(c5857.19,-1264.89) 5869.09,-1264.89 ; 5939.91,-1264.85 cw(c5924.19,-1264.85) 5939.91,-1264.63 ; 6214.58,1342.5 6547.25,1342.5 6647.65,1342.5 ; 6486.23,1271.63 6486.23,1322.81 6486.23,1346.44 ; 6486.23,1344.47 6486.23,1364.15 ; 6486.23,1356.28 6486.23,1403.52 ; 6604.34,1271.63 6604.34,1322.81 6604.34,1346.44 ; 6604.34,1314.94 6604.34,1342.5 6604.34,1360.22 ; 6604.34,1344.47 6604.34,1364.15 ; 6604.34,1356.28 6604.34,1403.52 ; 6643.71,1342.5 6846.47,1342.5 ; 6820.88,1271.63 6820.88,1322.81 6820.88,1346.44 ; 6820.88,1314.94 6820.88,1342.5 6820.88,1360.22 ; 6820.88,1344.47 6820.88,1364.15 ; 6820.88,1356.28 6820.88,1403.52 ; 6846.47,1342.5 6846.47,1403.52 6795.29,1403.52 6795.29,1271.63 6846.47,1271.63 6846.47,1342.5 ; 6368.12,1249.98 6368.12,1435.02 6547.25,1435.02 6547.25,1407.46 6846.47,1407.46 6846.47,1249.98 6368.12,1249.98 ; 6460.64,1271.63 6460.64,1403.52 6511.82,1403.52 6511.82,1342.5 6511.82,1271.63 6460.64,1271.63 ; 6578.75,1271.63 6629.93,1271.63 6629.93,1342.5 6629.93,1403.52 6578.75,1403.52 6578.75,1271.63

## Text inside footprints (layer, text, board x,y; h text height)
CN3: Top Overlay "front" at 6492.5,-914.1 h35 r90